# Altium PCB HYDRA_V3_RECOVERY.PcbDoc (part 1 of 2) (continued)
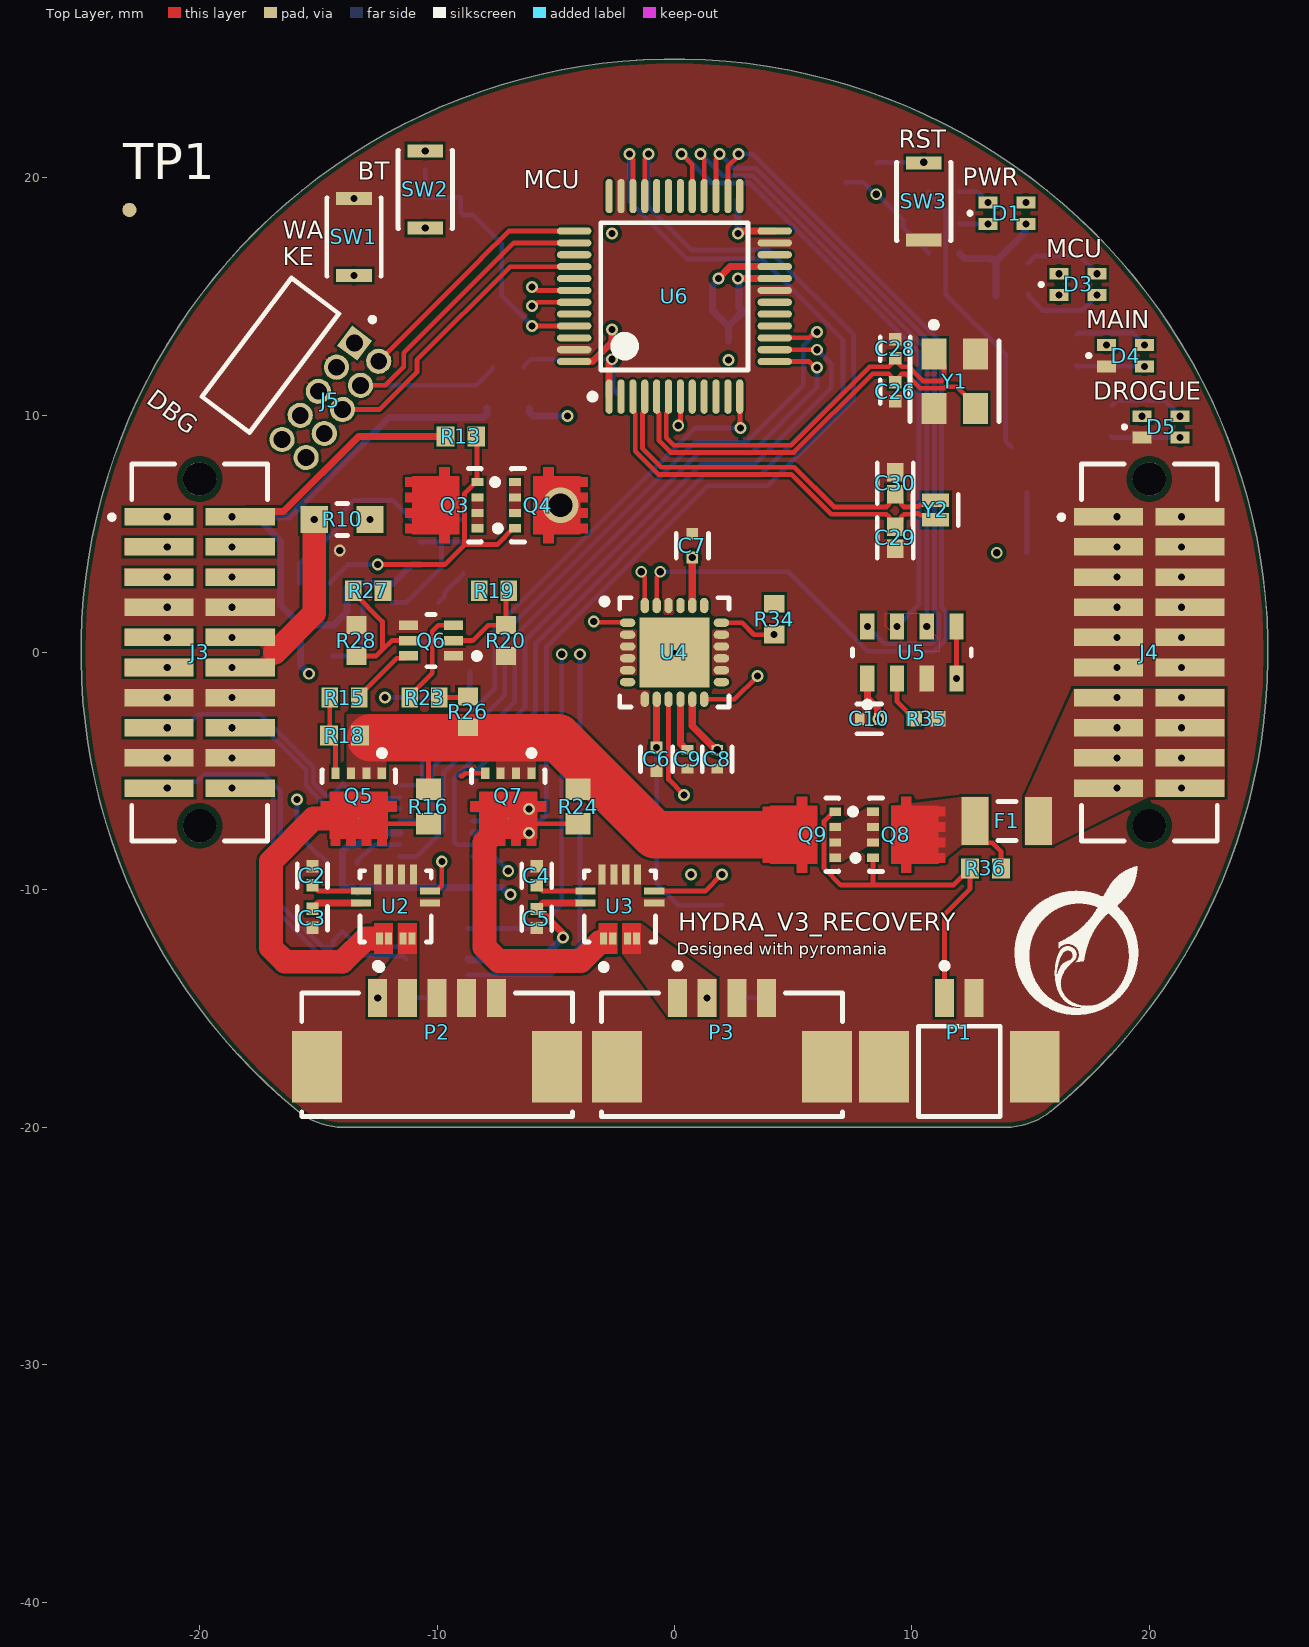
[diagram p0: Top Layer view]
## Design rules (kind name [scope] priority, off if disabled: settings)
BoardOutlineClearance [All] p1: gap=0.2 ignorepadtopadclearanceinfootprint=FALSE
Clearance [All] p1: gap=0.102 ignorepadtopadclearanceinfootprint=FALSE except(0.127: Arc-Via Track-Via SMDPad-Via THPad-Via Via-Via Via-Fill Via-Poly Via-Region Via-Text; 0.25: Arc-Hole Track-Hole SMDPad-Hole THPad-Hole Via-Hole Fill-Hole Poly-Hole Region-Hole Text-Hole)
ComponentClearance [All] p1: gap=0.102 collisioncheckmode=3 verticalgap=0.102 showdistances=TRUE
DiffPairsRouting [All] p1: maxlimit=0.102 minlimit=0.102 mostfreqgap=0.102 toplayer_minwidth=0.102 toplayer_maxwidth=1816.048 toplayer_prefwidth=0.102 midlayer1_minwidth=0.102 midlayer1_maxwidth=1816.048 midlayer1_prefwidth=0.102 midlayer2_minwidth=0.102 midlayer2_maxwidth=1816.048 midlayer2_prefwidth=0.102 bottomlayer_minwidth=0.102 bottomlayer_maxwidth=1816.048 bottomlayer_prefwidth=0.102 maxuncoupledlength=12.7
Height [All] p1: minheight=0 maxheight=1816.048 prefheight=12.7
HoleSize [All] p1: absolutevalues=TRUE maxlimit=6.3 minlimit=0.2 maxpercent=80.000 minpercent=20.000
HoleToHoleClearance [All] p1: gap=0.25 allowstackedmicrovias=FALSE
MinimumAnnularRing [All] p1: minimumring=0.076
MinimumSolderMaskSliver [All] p1: minsoldermaskwidth=0
PlaneClearance [All] p1: clearance=0.102
PlaneConnect PlaneConnectPowerPads [InPadClass('PowerPads')] p1: planeconnectstyle=Direct reliefexpansion=0.508 reliefentries=4 reliefconductorwidth=0.254 reliefairgap=0.254
PlaneConnect [All] p2: pad.planeconnectstyle=Relief pad.reliefexpansion=0.3 pad.reliefentries=4 pad.reliefconductorwidth=0.102 pad.reliefairgap=0.102 via.planeconnectstyle=Direct via.reliefexpansion=0.3 via.reliefentries=4 via.reliefconductorwidth=0.127 via.reliefairgap=0.127
PolygonConnect PolygonConnectPowerPads [All vs (InPadClass('PowerPads'))] p1: connectstyle=Direct reliefconductorwidth=0.254 reliefentries=4 polygonreliefangle="90 Angle" airgapwidth=0.254
PolygonConnect [All] p2: thpad.connectstyle=Relief thpad.reliefconductorwidth=0.102 thpad.reliefentries=4 thpad.polygonreliefangle="90 Angle" thpad.airgapwidth=0.102 smdpad.connectstyle=Direct smdpad.reliefconductorwidth=0.102 smdpad.reliefentries=4 smdpad.polygonreliefangle="90 Angle" smdpad.airgapwidth=0.102 via.connectstyle=Direct via.reliefconductorwidth=0.127 via.reliefentries=4 via.polygonreliefangle="90 Angle" via.airgapwidth=0.127
RoutingVias [All] p1: holewidth=0.2 width=0.45 viastyle="Through Hole" minholewidth=0.2 minwidth=0.45 maxholewidth=6.3 maxwidth=6.55
SilkToSilkClearance [All] p1: silktosilkclearance=0
SilkToSolderMaskClearance [IsPad] p1: minsilkscreentomaskgap=0.102 clearancetoexposedcopper=TRUE
SolderMaskExpansion [All] p1: expansion=0.075 istentingtop=FALSE
Width [All] p1: maxlimit=1816.048 minlimit=0.102 preferedwidth=0.102
20 further rules are at their usual default settings.

## Classes and differential pairs
differential pair class 120DIFF: CAN0
component class SENSOR_BANK_0: C6 C7 C8 C9 C10 R34 R35 U4 U5
component class SAFETY_SWITCH_0: Q8 Q9 R36
component class MCU_0: C11 C12 C13 C14 C15 C16 C17 C18 C19 C20 C21 C22 C23 C24 C25 C26 C27 C28 C29 C30 C31 C32 C33 D3 FB1 J5 R37 R38 R39 R40 R41 R42 R43 R44 R45 R46 R47 R48 R49 SW1 SW2 SW3 TP1 U6 U7 U8 U9 Y1 Y2
component class EJECTION_CIRCUIT_0: C2 C3 C4 C5 D4 D5 DS1 DS2 Q5 Q6 Q7 R14 R15 R16 R17 R18 R19 R20 R21 R22 R23 R24 R25 R26 R27 R28 R29 R30 R31 R32 R33 U2 U3
component class OC_PROT: C1 D1 D2 Q1 Q2 Q3 Q4 R1 R2 R3 R4 R5 R6 R7 R8 R9 R10 R11 R12 R13 U1
component class HYDRA_V3_RECOVERY: F1 J1 J2 J3 J4 P1 P2 P3
differential pair X: +X_P -X_N
differential pair X32: +X32_P -X32_N
differential pair CAN1: +CAN1_P -CAN1_N
differential pair CAN0: +CAN0_P -CAN0_N

## Components (designator, comment, footprint, x,y, rotation, side; value= is the part's Value field where it differs from the comment)
C1 "C0402C104K8PACTU" FP-C0402-BB-MFG -8.9,6 r90 bottom value="0.10 μF"
C2 "C0402C104K8PACTU" FP-C0402-BB-MFG -15.25,-9.4 r270 top value="0.10 μF"
C3 "C0402C104K8PACTU" FP-C0402-BB-MFG -15.25,-11.2 r90 top value="0.10 μF"
C4 "C0402C104K8PACTU" FP-C0402-BB-MFG -5.8,-9.41 r270 top value="0.10 μF"
C5 "C0402C104K8PACTU" FP-C0402-BB-MFG -5.8,-11.21 r90 top value="0.10 μF"
C6 "CC0402KPX7R7BB103" FP-CC0402-MFG -0.75,-4.5 r270 top value="10 nF"
C7 "CC0402KPX7R7BB103" FP-CC0402-MFG 0.75,4.5 r90 top value="10 nF"
C8 "GRM155R71C104KA88D" FP-GRM15-MFG 1.8,-4.5 r90 top value=0.10μF
C9 "GRM155R71C104KA88D" FP-GRM15-MFG 0.55,-4.5 r90 top value=0.10μF
C10 "GRM155R71C104KA88D" FP-GRM15-MFG 8.2,-2.8 r0 top value=0.10μF
C11 "C1005X5R1A475K050BC" FP-C1005-050-0_15-MFG 2.275,19.05 r180 bottom
C12 "GRM155R71C104KA88D" FP-GRM15-MFG 2.275,17.65 r0 bottom value=0.10μF
C13 "GRM155R71C104KA88D" FP-GRM15-MFG -2.225,17.65 r180 bottom value=0.10μF
C14 "GRM155R71C104KA88D" FP-GRM15-MFG -2.225,13.6 r180 bottom value=0.10μF
C15 "EMK105BJ105KV-F" FP-0402-L_1_0_0_05-W_0_5-IPC_A 3.4,14.375 r0 bottom
C16 "GRM155R71C104KA88D" FP-GRM15-MFG 3.075,15.75 r180 bottom value=0.10μF
C17 "EMK105BJ105KV-F" FP-0402-L_1_0_0_05-W_0_5-IPC_A -1.975,10.95 r0 bottom
C18 "GRM155R71C104KA88D" FP-GRM15-MFG -2.225,12.35 r180 bottom value=0.10μF
C19 "EMK105BJ105KV-F" FP-0402-L_1_0_0_05-W_0_5-IPC_A 1.125,14.375 r180 bottom
C20 "GRM155R71C104KA88D" FP-GRM15-MFG 1.45,15.75 r0 bottom value=0.10μF
C21 "C0402C104K8PACTU" FP-C0402-BB-MFG -6.447,-12.575 r270 bottom value="0.10 μF"
C22 "C0402C104K8PACTU" FP-C0402-BB-MFG -6.125,-6.2 r270 bottom value="0.10 μF"
C23 "C0402C104K8PACTU" FP-C0402-BB-MFG -6.125,-8 r90 bottom value="0.10 μF"
C24 "C0402C104K8PACTU" FP-C0402-BB-MFG -11.9,-10.3 r90 bottom value="0.10 μF"
C25 "C0402C104K8PACTU" FP-C0402-BB-MFG -13.5,16.275 r270 bottom value="0.10 μF"
C26 "C0402C689C5GACTU" FP-C0402-BB-MFG 9.3,10.985 r270 top value="6.8 pF"
C27 "CL05A106MP5NUNC" FP-CL05A106MP5NUNC-MFG -4.5,9.5 r270 bottom value=10uF
C28 "C0402C689C5GACTU" FP-C0402-BB-MFG 9.3,12.785 r90 top value="6.8 pF"
C29 "04025A180FAT2A" FP-0402-L_1_0_1-W_0_5_0_1-IPC_A 9.3,4.825 r270 top
C30 "04025A180FAT2A" FP-0402-L_1_0_1-W_0_5_0_1-IPC_A 9.3,7.125 r90 top
C31 "C0402C104K8PACTU" FP-C0402-BB-MFG -9.5,9.5 r90 bottom value="0.10 μF"
C32 "C0402C104K8PACTU" FP-C0402-BB-MFG -10.5,20.725 r90 bottom value="0.10 μF"
C33 "C0402C104K8PACTU" FP-C0402-BB-MFG 7.2,20.2 r90 bottom value="0.10 μF"
D1 "150066RG54050" WL-SBCD_0606 14,18.5 r90 top locked
D2 "MM5Z3V3T1G" ONSC-SOD-523-2-502-01_V -8.9,4 r270 bottom
D3 "150066RG54050" WL-SBCD_0606 17,15.5 r90 top locked
D4 "150066RG54050" WL-SBCD_0606 19,12.5 r90 top locked
D5 "150066RG54050" WL-SBCD_0606 20.5,9.5 r90 top locked
F1 "0466003.NR" FP-0466-MFG 14,-7.1 r180 top value=0.019Ω
FB1 "BLM15PX601SN1D" FP-BLM15-0_05-MFG 2.275,12.725 r90 bottom
J1 "SFML-110-02-L-D-A" SFML-110-02-L-D-A-Footprint-1 -20,0 r270 bottom locked
J2 "SFML-110-02-L-D-A" SFML-110-02-L-D-A-Footprint-1 20,0 r270 bottom locked
J3 "TFML-110-02-L-D-A" TFML-110-02-L-D-A-Footprint-1 -20,0 r270 top locked
J4 "TFML-110-02-L-D-A" TFML-110-02-L-D-A-Footprint-1 20,0 r270 top locked
J5 "FTSH-105-01-F-D-RA-K" FTSH-105-01-F-D-RA-K-Footprint-1 -15,11 r53 top
P1 "53261-0271" MOLX-53261-0271_V 12,-16 r0 top locked
P2 "53261-0571" MOLX-52361-0571-5_V -10,-14.55 r0 top locked
P3 "53261-0471" MOLEX-53261-0471_V 2,-16 r0 top locked
Q1 "BSS138W-7-F" DIOD-SOT323-3_V 14.2,7.7 r90 bottom
Q2 "BSS138W-7-F" DIOD-SOT323-3_V -12.115,-0.175 r180 bottom
Q3 "SISH615ADN-T1-GE3" SISH615ADN-T1-GE3-Footprint-1 -9.69,6.162 r90 top
Q4 "SISH615ADN-T1-GE3" SISH615ADN-T1-GE3-Footprint-1 -5.31,6.238 r270 top
Q5 "SISH615ADN-T1-GE3" SISH615ADN-T1-GE3-Footprint-1 -13.263,-6.49 r180 top
Q6 "SSM6N7002KFU,LF" FP-SSOP6-P-0_65A-MFG -10.25,0.5 r180 top
Q7 "SISH615ADN-T1-GE3" SISH615ADN-T1-GE3-Footprint-1 -6.963,-6.49 r180 top
Q8 "SISH615ADN-T1-GE3" SISH615ADN-T1-GE3-Footprint-1 9.765,-7.643 r270 top
Q9 "SISH615ADN-T1-GE3" SISH615ADN-T1-GE3-Footprint-1 5.375,-7.718 r90 top
R1 "ERJ-3EKF3300V" RESC1608X55X30LL15T15#1 11.35,18.1 r180 bottom
R2 "ERJ3EKF1002V" RESC1609X55X30LL15T15 -14.4,0.5 r90 bottom
R3 "ERJ-3EKF1001V" RESC1608X55X30LL15T15#2 -12.5,2.1 r0 bottom
R4 "ERJ-3EKF1001V" RESC1608X55X30LL15T15#2 11.35,19.4 r0 bottom
R5 "ERJ-3EKF1001V" RESC1608X55X30LL15T15#2 -8.615,-0.175 r270 bottom
R6 "ERJ-3EKF1001V" RESC1608X55X30LL15T15#2 14.2,4.2 r180 bottom
R7 "ERJ3EKF1002V" RESC1609X55X30LL15T15 -9.915,-0.175 r90 bottom
R8 "ERJ3EKF1002V" RESC1609X55X30LL15T15 14.2,5.5 r0 bottom
R9 "ERJ3EKF1002V" RESC1609X55X30LL15T15 -9.3,2.1 r180 bottom
R10 "ERJ-6DSFR10V" FP-ERJ6D-MFG -14,5.6 r0 top
R11 "ERJ3EKF1002V" RESC1609X55X30LL15T15 -15.175,4.95 r90 bottom
R12 "RT0603BRD071ML" RESC1608X55X30NL20T20 -15.15,2.9 r180 bottom
R13 "ERJ3EKF1002V" RESC1609X55X30LL15T15 -9,9.1 r0 top
R14 "ERJ3EKF1002V" RESC1609X55X30LL15T15 -11.85,-14.55 r180 bottom
R15 "ERJ-3EKF1001V" RESC1608X55X30LL15T15#2 -13.9,-1.9 r180 top
R16 "ERJ-3EKF1003V" RESC1608X55X30ML15T15 -10.363,-6.49 r270 top
R17 "ERJ-3EKF1001V" RESC1608X55X30LL15T15#2 -9.5,-14.55 r180 bottom
R18 "ERJ3EKF1002V" RESC1609X55X30LL15T15 -13.9,-3.5 r180 top
R19 "ERJ-3EKF1001V" RESC1608X55X30LL15T15#2 -7.6,2.6 r0 top
R20 "ERJ3EKF1002V" RESC1609X55X30LL15T15 -7.1,0.5 r90 top
R21 "ERJ3EKF1002V" RESC1609X55X30LL15T15 0.7,-10 r270 bottom
R22 "ERJ3EKF1002V" RESC1609X55X30LL15T15 2.025,-14.55 r180 bottom
R23 "ERJ-3EKF1001V" RESC1608X55X30LL15T15#2 -10.525,-1.9 r0 top
R24 "ERJ-3EKF1003V" RESC1608X55X30ML15T15 -4.062,-6.49 r270 top
R25 "ERJ-3EKF1001V" RESC1608X55X30LL15T15#2 4.4,-14.55 r180 bottom
R26 "ERJ3EKF1002V" RESC1609X55X30LL15T15 -8.7,-2.5 r90 top
R27 "ERJ-3EKF1001V" RESC1608X55X30LL15T15#2 -12.9,2.6 r180 top
R28 "ERJ3EKF1002V" RESC1609X55X30LL15T15 -13.4,0.5 r270 top
R29 "ERJ3EKF1002V" RESC1609X55X30LL15T15 2,-10 r270 bottom
R30 "ERJ-3EKF1001V" RESC1608X55X30LL15T15#2 16.3,12.1 r0 bottom
R31 "ERJ-3EKF1001V" RESC1608X55X30LL15T15#2 17.775,9.1 r0 bottom
R32 "ERJ-3EKF3300V" RESC1608X55X30LL15T15#1 16.3,13.4 r0 bottom
R33 "ERJ-3EKF3300V" RESC1608X55X30LL15T15#1 17.775,10.4 r0 bottom
R34 "ERJ3EKF1002V" RESC1609X55X30LL15T15 4.2,1.4 r90 top
R35 "0402 JUMPER" RESC1005X40X25ML05T05 10.6,-2.8 r180 top
R36 "ERJ3EKF1002V" RESC1609X55X30LL15T15 13.1,-9.1 r180 top
R37 "ERJ3EKF1002V" RESC1609X55X30LL15T15 -7,12 r180 bottom
R38 "ERJ-3EKF1200V" RESC1609X55X30ML15T15 -13.962,-12.6 r90 bottom
R39 "ERJ3EKF56R0V" RESC1608X55X30NL15T15 14.225,15.1 r180 bottom
R40 "ERJ-3EKF1200V" RESC1609X55X30ML15T15 -13.962,-6.35 r270 bottom
R41 "ERJ3EKF56R0V" RESC1608X55X30NL15T15 14.225,16.4 r180 bottom
R42 "ERJ3EKF1002V" RESC1609X55X30LL15T15 -14,-10.1 r180 bottom
R43 "ERJ-3EKF1001V" RESC1608X55X30LL15T15#2 -14,-8.9 r180 bottom
R44 "ERJ3EKF1002V" RESC1609X55X30LL15T15 13.075,-35.975 r90 bottom
R45 "ERJ3EKF1002V" RESC1609X55X30LL15T15 13.075,-38.375 r270 bottom
R46 "ERJ-3EKF3300V" RESC1608X55X30LL15T15#1 -10.5,18.525 r270 bottom
R47 "ERJ-3EKF3300V" RESC1608X55X30LL15T15#1 8.5,19.95 r90 bottom
R48 "ERJ3EKF1002V" RESC1609X55X30LL15T15 -9,18.5 r90 bottom
R49 "ERJ3EKF1002V" RESC1609X55X30LL15T15 11.35,16.8 r180 bottom
SW1 "KXT331LHS" FP-KXT331LHS-MFG -13.5,17.5 r90 top locked
SW2 "KXT331LHS" FP-KXT331LHS-MFG -10.5,19.5 r90 top locked
SW3 "KXT331LHS" FP-KXT331LHS-MFG 10.5,19 r270 top locked
TP1 "TPAD6R" "New footprint 1" -22.96,18.64 r90 top
U1 "TLV1805DBVR" FP-DBV0006A-IPC_C -11.775,4.65 r0 bottom
U2 "ACS711KEXLT-15AB-T" ALEG-EX-12_V -11.75,-10.7 r90 top
U3 "ACS711KEXLT-15AB-T" ALEG-EX-12_V -2.3,-10.7 r90 top
U4 "IIM-20670" PQFN50P450X450X115_HS-25N 0,0 r0 top
U5 "MS561101BA03-50" MSI-MS561101BA03-50-8_V 10,0 r90 top
U6 "STM32G473CET6" TSQFP50P900X900X160-48N 0,15 r90 top
U7 "TCAN330GDCNR" FP-DCN0008A-MFG -10,-12.6 r180 bottom
U8 "TCAN1146DYYRQ1" TCAN1146DYYRQ1-Footprint-1 -10.025,-7.1 r180 bottom
U9 "AP7375-50SA-7" AP7375-50SA-7-Footprint-1 -7,9 r270 bottom
Y1 "ABM8-48.000MHZ-B2-T" FP-ABM8-MFG 11.8,11.425 r270 top
Y2 "ECS-.327-12.5-1210-TR" FP-ECX-1210-MFG 11,6 r90 top

## Footprints (in the part's own frame and the unit in brackets; to place one, negate y for a bottom-side part, rotate by r counter-clockwise, add the part's x,y. Pads: shape width x height; smd on the part's side, far side on the other; paste and mask are expansions set on the pad)
ALEG-EX-12_V [mm] "QFN, 12-Leads, Body 3x3mm, Height 0.8mm"
  rect 0.5x0.3 smd paste-0.5 mask-0.5: 1(-1.348,0.682) 2(-1.348,0.301) 3(-1.348,-0.318) 4(-1.348,-0.699)
  rect 0.3x0.85 smd: 5(0.148,-1.45) 6(0.648,-1.45) 11(0.648,1.45) 12(0.148,1.45)
  rect 0.85x0.3 smd: 7(1.348,-0.75) 8(1.348,-0.25) 9(1.348,0.25) 10(1.348,0.75)
  Top Layer region: -2.002,0.1 -0.702,0.1 -0.702,0.9 -2.002,0.9
  Top Layer region: -2.002,-0.9 -0.702,-0.9 -0.702,-0.1 -2.002,-0.1
  silkscreen extent -2.68,-1.5 1.5,1.5, body extent -1.5,-1.5 1.5,1.5, height 0.81
AP7375-50SA-7-Footprint-1 [mm]
  rect 1.2x0.6 smd: 1(-1.3,0.9) 2(-1.3,-0.9) 3(1.3,0)
  silkscreen extent -1.42,-1.5 0.7,1.87, body extent -0.7,-1.5 0.7,1.5, height 1.1
DIOD-SOT323-3_V [mm] "SOT323, 3-Leads, Body 2.2x1.35mm, Pitch 0.65mm"
  rect 0.9x0.7 smd: 1(-0.95,0.65) 2(-0.95,-0.65) 3(0.95,0)
  silkscreen extent -1.07,-1.1 0.67,1.68, body extent -1.1,-1.1 1.1,1.1, height 1.07
FP-0402-L_1_0_0_05-W_0_5-IPC_A [mm]
  rect 0.715x0.672 smd paste+0 mask+0: 1(-0.479,0) 2(0.479,0)
  silkscreen extent -0.84,-0.74 0.84,0.74, body extent -0.5,-0.25 0.5,0.25, height 0.55
FP-0402-L_1_0_1-W_0_5_0_1-IPC_A [mm]
  rect 0.781x0.712 smd paste+0 mask+0: 1(-0.466,0) 2(0.466,0)
  silkscreen extent -0.86,-0.76 0.86,0.76, body extent -1.06,-0.56 1.06,0.56, height 0.25
FP-0466-MFG [mil]
  rect 45x80 smd paste+0 mask+0: 1(-52.5,0) 2(52.5,0)
  silkscreen extent -15,-32 15,32, body extent -79,-44 79,44, height 10
FP-ABM8-MFG [mm]
  rect 1.3x1.05 smd paste+0 mask+0: 1(-1.15,-0.875) 2(1.15,-0.875) 3(1.15,0.875) 4(-1.15,0.875)
  silkscreen extent -2.5,-1.88 1.7,1.88, body extent -1.9,-1.5 1.9,1.5, height 0.25
FP-BLM15-0_05-MFG [mm]
  rect 0.4x0.5 smd paste+0 mask+0: 1(-0.4,0) 2(0.4,0)
  silkscreen extent -0.53,-0.63 0.52,0.63, body extent -0.5,-0.25 0.5,0.25, height 0.55
FP-C0402-BB-MFG [mm]
  rect 0.52x0.52 smd paste+0 mask+0: 1(-0.4,0) 2(0.4,0)
  silkscreen extent -0.5,-0.64 0.5,0.64, body extent -0.5,-0.25 0.5,0.25, height 0.55
FP-C1005-050-0_15-MFG [mm]
  rect 0.4x0.5 smd paste+0 mask+0: 1(-0.4,0) 2(0.4,0)
  silkscreen extent -0.5,-0.72 0.5,0.72, body extent -0.5,-0.25 0.5,0.25, height 0.55
FP-CC0402-MFG [mm]
  rect 0.5x0.5 smd paste+0 mask+0: 1(-0.5,0) 2(0.5,0)
  silkscreen extent -0.53,-0.68 0.53,0.67, body extent -0.87,-0.48 0.87,0.48, height 0.25
FP-CL05A106MP5NUNC-MFG [mm]
  rect 0.45x0.675 smd paste+0 mask+0: 1(-0.463,0) 2(0.463,0)
  silkscreen extent -0.6,-0.63 0.6,0.63, body extent -0.5,-0.25 0.5,0.25, height 0.7
FP-DBV0006A-IPC_C [mm]
  rect 1.205x0.53 smd paste+0 mask+0: 1(-1.05,0.95)
  rrect100% 1.205x0.53 smd paste+0 mask+0: 2(-1.05,0) 3(-1.05,-0.95) 4(1.05,-0.95) 5(1.05,0) 6(1.05,0.95)
  silkscreen extent -2.33,-1.45 0.05,1.45, body extent -1.4,-1.45 1.4,1.45, height 1.45
FP-DCN0008A-MFG [mm]
  rect 1.1x0.45 smd paste+0 mask+0: 1(-1.3,0.975) 2(-1.3,0.325) 3(-1.3,-0.325) 4(-1.3,-0.975) 5(1.3,-0.975) 6(1.3,-0.325) 7(1.3,0.325) 8(1.3,0.975)
  silkscreen extent -2.55,-1.5 0.38,1.5, body extent -1.4,-1.45 1.4,1.45, height 1.45
FP-ECX-1210-MFG [mm]
  rect 0.575x1.14 smd paste+0 mask+0: 1(-0.413,0) 2(0.413,0)
  silkscreen extent -0.65,-0.95 0.65,0.95, body extent -0.8,-0.67 0.8,0.67, height 0.25
FP-ERJ6D-MFG [mm]
  rect 1.15x1.15 smd paste+0 mask+0: 1(-1.175,0) 2(1.175,0)
  silkscreen extent -0.23,-0.67 0.23,0.67, body extent -1.85,-0.77 1.85,0.77, height 0.25
FP-GRM15-MFG [mm]
  rect 0.4x0.5 smd paste+0 mask+0: 1(-0.4,0) 2(0.4,0)
  silkscreen extent -0.53,-0.63 0.53,0.63, body extent -0.7,-0.38 0.7,0.38, height 0.25
FP-KXT331LHS-MFG [mm]
  rect 0.55x1.5 smd paste+0 mask+0: 1(-1.625,0) 2(1.625,0)
  silkscreen extent -1.65,-1.15 1.65,1.15, body extent -2,-1.25 2,1.25, height 0.25
FP-SSOP6-P-0_65A-MFG [mm]
  rect 0.8x0.4 smd paste+0 mask+0: 1(-0.95,0.65) 2(-0.95,0) 3(-0.95,-0.65) 4(0.95,-0.65) 5(0.95,0) 6(0.95,0.65)
  silkscreen extent -2.05,-1.1 0.18,1.1, body extent -1.45,-1.2 1.45,1.2, height 0.25
FTSH-105-01-F-D-RA-K-Footprint-1 [mm]
  rect 1.06x1.06 hole 0.71: 01(2.54,0)
  round 1.06 hole 0.71: 02(2.54,-1.27) 03(1.27,0) 04(1.27,-1.27) 05(0,0) 06(0,-1.27) 07(-1.27,0) 08(-1.27,-1.27) 09(-2.54,0) 10(-2.54,-1.27)
  silkscreen extent -3.14,-0.1 3.88,3.78, body extent -3.14,-1.54 3.14,6.92, height 5.04
MOLEX-53261-0471_V [mm] "SMD, 4-Leads, Body 10.15x5.2mm, Pitch 1.25mm"
  rect 0.8x1.6 smd: 1(-1.875,1.45) 2(-0.625,1.45) 3(0.625,1.45) 4(1.875,1.45)
  rect 2.1x3 smd: MP1(-4.425,-1.45) MP2(4.425,-1.45)
  silkscreen extent -5.08,-3.55 5.08,2.93, body extent -5.08,-3.55 5.07,1.65, height 3.4
MOLX-52361-0571-5_V [mm] "SMD, 5-Leads, Body 11.4x5.2mm, Pitch 1.25mm"
  rect 0.8x1.6 smd: 1(-2.5,0) 2(-1.25,0) 3(0,0) 4(1.25,0) 5(2.5,0)
  rect 2.1x3 smd: MP1(-5.05,-2.9) MP2(5.05,-2.9)
  silkscreen extent -5.7,-5 5.7,1.47, body extent -5.7,-5 5.7,0.2, height 3.4
MOLX-53261-0271_V [mm] "Header, 2-Leads, Pitch 1.25mm"
  rect 0.8x1.6 smd: 1(-0.625,1.45) 2(0.625,1.45)
  rect 2.1x3 smd: MP1(-3.175,-1.45) MP2(3.175,-1.45)
  silkscreen extent -1.72,-3.55 1.73,2.92, body extent -3.82,-3.55 3.83,1.65, height 3.41
MSI-MS561101BA03-50-8_V [mm] "SMD, 8-Leads, Body 5x3mm, Pitch 1.25mm"
  rect 1.1x0.6 smd: 1(-1.1,1.875) 2(-1.1,0.625) 3(-1.1,-0.625) 4(-1.1,-1.875) 5(1.1,-1.875) 6(1.1,-0.625) 7(1.1,0.625) 8(1.1,1.875)
  silkscreen extent -2.32,-2.5 0.15,2.5, body extent -1.5,-2.5 1.5,2.5, height 1
"New footprint 1" [mm]
  round 0.6 smd paste-1: 1(0,0)
ONSC-SOD-523-2-502-01_V [mm] "SOD, 2-Leads, Body 1.2x0.8mm"
  rect 0.48x0.4 smd: 1(-0.66,0) 2(0.66,0)
  silkscreen extent -0.75,-0.4 0.07,0.65, body extent -0.6,-0.4 0.6,0.4, height 0.7
PQFN50P450X450X115_HS-25N [mm] "PQFN, 24-Leads, Body 4.50x4.50mm, Pitch 0.50mm, Thermal Pad 2.94x2.94mm, IPC Medium Density"
  oval 0.65x0.35 smd: 1(-1.975,1.25) 2(-1.975,0.75) 3(-1.975,0.25) 4(-1.975,-0.25) 5(-1.975,-0.75) 6(-1.975,-1.25) 13(1.975,-1.25) 14(1.975,-0.75) 15(1.975,-0.25) 16(1.975,0.25) 17(1.975,0.75) 18(1.975,1.25)
  oval 0.35x0.65 smd: 7(-1.25,-1.975) 8(-0.75,-1.975) 9(-0.25,-1.975) 10(0.25,-1.975) 11(0.75,-1.975) 12(1.25,-1.975) 19(1.25,1.975) 20(0.75,1.975) 21(0.25,1.975) 22(-0.25,1.975) 23(-0.75,1.975) 24(-1.25,1.975)
  rect 2.94x2.94 smd: 25(0,0)
  silkscreen extent -3.07,-2.3 2.3,2.3, body extent -2.3,-2.3 2.3,2.3, height 1.15
RESC1005X40X25ML05T05 [mm] "Chip Resistor, 2-Leads, Body 1.00x0.50mm, IPC Low Density"
  rect 0.65x0.65 smd: 1(-0.5,0) 2(0.5,0)
  body extent -0.53,-0.27 0.53,0.28, height 0.4
RESC1608X55X30LL15T15#1 [mm] "Chip Resistor, 2-Leads, Body 1.75x0.95mm, IPC High Density"
  rect 0.75x0.85 smd: 1(-0.65,0) 2(0.65,0)
  body extent -0.87,-0.48 0.87,0.48, height 0.55
RESC1608X55X30LL15T15#2 [mm] "Chip Resistor, 2-Leads, Body 1.60x0.80mm, IPC High Density"
  rect 0.7x0.85 smd: 1(-0.625,0) 2(0.625,0)
  body extent -0.87,-0.48 0.87,0.48, height 0.55
RESC1608X55X30ML15T15 [mm] "Chip Resistor, 2-Leads, Body 1.60x0.80mm, IPC Low Density"
  rect 0.9x1.05 smd: 1(-0.725,0) 2(0.725,0)
  body extent -0.87,-0.48 0.87,0.48, height 0.55
RESC1608X55X30NL15T15 [mm] "Chip Resistor, 2-Leads, Body 1.60x0.80mm, IPC Medium Density"
  rect 0.8x0.95 smd: 1(-0.675,0) 2(0.675,0)
  body extent -0.87,-0.48 0.87,0.48, height 0.55
RESC1608X55X30NL20T20 [mm] "Chip Resistor, 2-Leads, Body 1.60x0.80mm, IPC Medium Density"
  rect 0.9x1 smd: 1(-0.65,0) 2(0.65,0)
  body extent -0.9,-0.5 0.9,0.5, height 0.55
RESC1609X55X30LL15T15 [mm] "Chip Resistor, 2-Leads, Body 1.75x0.95mm, IPC High Density"
  rect 0.75x0.85 smd: 1(-0.65,0) 2(0.65,0)
  body extent -0.87,-0.48 0.87,0.48, height 0.55
RESC1609X55X30ML15T15 [mm] "Chip Resistor, 2-Leads, Body 1.75x0.95mm, IPC Low Density"
  rect 1.15x1.05 smd: 1(-0.85,0) 2(0.85,0)
  body extent -0.87,-0.48 0.87,0.48, height 0.55
SFML-110-02-L-D-A-Footprint-1 [mm]
  rect 0.74x2.22 smd: 01(-5.715,1.365) 02(-5.715,-1.365) 03(-4.445,1.365) 04(-4.445,-1.365) 05(-3.175,1.365) 06(-3.175,-1.365) 07(-1.905,1.365) 08(-1.905,-1.365) 09(-0.635,1.365) 10(-0.635,-1.365) 11(0.635,1.365) 12(0.635,-1.365) 13(1.905,1.365) 14(1.905,-1.365) 15(3.175,1.365) 16(3.175,-1.365) 17(4.445,1.365) 18(4.445,-1.365) 19(5.715,1.365) 20(5.715,-1.365)
  round 1.4 hole 1.4 unplated: ""(-7.305,0) ""(7.305,0)
  silkscreen extent -6.54,-1.53 6.54,3.17, body extent -7.94,-2.04 7.94,2.16, height 4.57
SISH615ADN-T1-GE3-Footprint-1 [mm]
  rect 0.35x0.5 smd paste+0 mask+0: 1(-0.937,-1.4) 2(-0.288,-1.4) 3(0.363,-1.4) 4(1.012,-1.4)
  round 0.025 smd mask+0: 5-6-7-8(0.038,0.51)
  Top Layer region: -1.187,-0.63 -1.187,-0.215 -1.568,-0.215 -1.568,0.215 -1.187,0.215 -1.187,1.35 -1.137,1.35 -1.137,1.65 -0.737,1.65 -0.737,1.35 -0.487,1.35 -0.487,1.65 -0.088,1.65 -0.088,1.35 0.163,1.35 0.163,1.65 0.563,1.65 0.563,1.35 0.813,1.35 0.813,1.65 1.212,1.65 1.212,1.35 1.262,1.35 1.262,0.215 1.643,0.215 1.643,-0.215 1.262,-0.215 1.262,-0.63
  silkscreen extent -1.51,-2.38 1.59,-1.01, body extent -1.67,-1.75 1.74,1.75, height 0.25
TCAN1146DYYRQ1-Footprint-1 [mil]
  rect 38.5x12 smd paste+0 mask+0: 1(-60.75,59.07) 2(-60.75,39.38) 3(-60.75,19.69) 4(-60.75,0) 5(-60.75,-19.69) 6(-60.75,-39.38) 7(-60.75,-59.07) 8(60.75,-59.07) 9(60.75,-39.38) 10(60.75,-19.69) 11(60.75,0) 12(60.75,19.69) 13(60.75,39.38) 14(60.75,59.07)
  silkscreen extent -47,-90 100,90, body extent -66,-84 66,84, height 43
TFML-110-02-L-D-A-Footprint-1 [mm]
  rect 0.74x2.92 smd: 01(-5.715,-1.715) 02(-5.715,1.715) 03(-4.445,-1.715) 04(-4.445,1.715) 05(-3.175,-1.715) 06(-3.175,1.715) 07(-1.905,-1.715) 08(-1.905,1.715) 09(-0.635,-1.715) 10(-0.635,1.715) 11(0.635,-1.715) 12(0.635,1.715) 13(1.905,-1.715) 14(1.905,1.715) 15(3.175,-1.715) 16(3.175,1.715) 17(4.445,-1.715) 18(4.445,1.715) 19(5.715,-1.715) 20(5.715,1.715)
  round 1.4 hole 1.4 unplated: ""(-7.305,0) ""(7.305,0)
  silkscreen extent -7.94,-3.8 7.94,2.86, body extent -7.94,-2.92 7.94,2.92, height 5.59
TSQFP50P900X900X160-48N [mm] "TSQFP, 48-Leads, Body 7.00x7.00mm, Pitch 0.50mm, IPC Medium Density"
  oval 1.45x0.3 smd: 1(-4.225,2.75) 2(-4.225,2.25) 3(-4.225,1.75) 4(-4.225,1.25) 5(-4.225,0.75) 6(-4.225,0.25) 7(-4.225,-0.25) 8(-4.225,-0.75) 9(-4.225,-1.25) 10(-4.225,-1.75) 11(-4.225,-2.25) 12(-4.225,-2.75) 25(4.225,-2.75) 26(4.225,-2.25) 27(4.225,-1.75) 28(4.225,-1.25) 29(4.225,-0.75) 30(4.225,-0.25) 31(4.225,0.25) 32(4.225,0.75) 33(4.225,1.25) 34(4.225,1.75) 35(4.225,2.25) 36(4.225,2.75)
  oval 0.3x1.45 smd: 13(-2.75,-4.225) 14(-2.25,-4.225) 15(-1.75,-4.225) 16(-1.25,-4.225) 17(-0.75,-4.225) 18(-0.25,-4.225) 19(0.25,-4.225) 20(0.75,-4.225) 21(1.25,-4.225) 22(1.75,-4.225) 23(2.25,-4.225) 24(2.75,-4.225) 37(2.75,4.225) 38(2.25,4.225) 39(1.75,4.225) 40(1.25,4.225) 41(0.75,4.225) 42(0.25,4.225) 43(-0.25,4.225) 44(-0.75,4.225) 45(-1.25,4.225) 46(-1.75,4.225) 47(-2.25,4.225) 48(-2.75,4.225)
  silkscreen extent -4.35,-3.1 3.1,3.57, body extent -3.5,-3.5 3.5,3.5, height 1.6
WL-SBCD_0606 [mm] "SMT Bi-color Chip LED Diffuesed, body 1.5x1.6mm"
  rect 0.5x0.8 smd: 1(-0.45,0.8) 2(-0.45,-0.8) 3(0.45,-0.8) 4(0.45,0.8)
  silkscreen extent -0.07,1.47 0.07,1.62, body extent -0.75,-0.8 0.75,0.8, height 0.55

## Part data
C1 C2 C3 C4 C5 C21 C22 C23 C24 C25 C31 C32 C33: library part CMP-2008-02046-2, "CAP CER 0.1UF 10V X5R 0402", Capacitance="0.10 μF", Manufacturer=Kemet, Package=C0402-BB, Temperature="-55°C to +125°C", Temperature Characteristic=X5R, Temperature Coefficient=15%, Temperature Range High=+125°C, Temperature Range Low=-55°C, Tolerance=0.1, Voltage Rating="10 V", Automotive=No, Category=Cap, ComponentLink2Description=Datasheet, ComponentLink2URL=https://content.kemet.com/datasheets/KEM_C1002_X7R_SMD.pdf, Device Class L1="Passive Components", Device Class L2=Capacitors, Device Class L3="Ceramic Capacitors", Digikey Description="CAP CER 0.1UF 10V X5R 0402", Height=0.55mm, Ipc Land Pattern Name=CAPC10050X50, Lead Free=Yes, Manufacturer Part Number=C0402C104K8PACTU, Material=Ceramic, Mouser Description="Capacitor 100 nF 10 VDC 0402", Octopart=https://octopart.com/c0402c104k8pactu-kemet-140039, RoHS=TRUE
C6 C7: library part CMP-03422-000420-1, "CC0402 10 nF X7R 10.00% 16 V", Capacitance="10 nF", Manufacturer=YAGEO, Package=CC0402, Temperature="-55°C to +125°C", Temperature Characteristic=X7R, Temperature Coefficient=30ppm/°C, Temperature Range High=+125°C, Temperature Range Low=-55°C, Tolerance=0.1, Voltage Rating="16 V", Automotive=No, Automotive Grade=NA, Category=Cap, ComponentLink2Description=Datasheet, ComponentLink2URL=http://www.yageo.com/documents/recent/UPY-GP_NP0_16V-to-50V_16.pdf, Device Class L1="Passive Components", Device Class L2=Capacitors, Device Class L3="Ceramic Capacitors", Footprint Url=http://www.yageo.com/exep/pages/download/literatures/UPY-C_GEN_24.pdf, Height=0.55mm, Ipc Land Pattern Name=CAPC10050X50, Lead Free=Yes, Manufacturer Part Number=CC0402KPX7R7BB103, Material=Ceramic, Mouser Description="Multilayer Ceramic Capacitors MLCC - SMD/SMT 10nF 16V X7R 10%", Octopart=https://octopart.com/cc0402kpx7r7bb103-yageo-12885102, RoHS=TRUE
C8 C9 C10 C12 C13 C14 C16 C18 C20: library part CMP-2100-03641-2, "CAP CER 0.1UF 16V X7R 0402", Capacitance=0.10μF, Manufacturer=Murata, Package=GRM15, Temperature="-55°C to +125°C", Temperature Characteristic=X7R, Temperature Range High=+125°C, Temperature Range Low=-55°C, Tolerance=10%, Voltage Rating=16Vdc, Category=Cap, ComponentLink2Description=Datasheet, ComponentLink2URL=https://search.murata.co.jp/Ceramy/image/img/A01X/G101/ENG/GRM155R71H471KA01-01A.pdf, Device Class L1="Passive Components", Device Class L2=Capacitors, Device Class L3="Ceramic Capacitors", Digikey Description="CAP CER 0.1UF 16V X7R 0402", Height=0.55mm, Ipc Land Pattern Name=CAPC10050X219, Lead Free=yes, Manufacturer Part Number=GRM155R71C104KA88D, Material=Ceramic, Mouser Description="0402 0.1 uF 16V ±10 % Tolerance X7R SMT Multilayer Ceramic Capacitor", Octopart=https://octopart.com/grm155r71c104ka88d-murata-196880, RoHS=TRUE, Standoff Height=0mm
C11: library part CMP-2000-05997-2, "CAP CER 4.7UF 10V X5R 0402", Capacitance=4.7uF, Case Code (Imperial)=0402, Case Code (Metric)=1005, Dielectric=X5R, Dielectric Material=Ceramic, Max Operating Temperature=85°C, Min Operating Temperature=-55°C, Package Quantity=10000, Tolerance=10%, Voltage Rating=10V, Case/Package=0402, Lead Free="Lead Free", Length=0.039inch, Mount="Surface Mount", Packaging="Cut Tape", REACH SVHC="No SVHC", RoHS Compliant=Yes, Series=C, Thickness=0.022inch, Voltage Rating (DC)=10V, Width=0.02inch
C15 C17 C19: library part CMP-14477-000104-2, "None", Capacitance=1uF, Case Code (Imperial)=0402, Case Code (Metric)=1005, Dielectric=X5R, Max Operating Temperature=85°C, Min Operating Temperature=-55°C, Package Quantity=1, Tolerance=10%, Voltage Rating=16V, Case/Package=0402, Construction=Flat, Depth=0.5mm, Halogen Free="Halogen Free", Height=0.5mm, Length=1mm, Mount="Surface Mount", Number of Pins=2, Packaging="Tape and Reel", Radiation Hardening=No, RoHS Compliant=Yes, Series=M, Termination=SMD/SMT, Thickness=0.022inch, Voltage Rating (DC)=16V, Width=0.02inch
C26 C28: library part CMP-1034-00517-3, "CAP CER 6.8PF 50V NP0 0402", Capacitance="6.8 pF", Manufacturer=Kemet, Package=C0402-BB, Temperature="-55°C to +125°C", Temperature Characteristic=C0G, Temperature Coefficient=15%, Temperature Range High=+125°C, Temperature Range Low=-55°C, Tolerance="0.25 pF", Voltage Rating="50 V", Automotive=No, Category=Cap, ComponentLink2Description=Datasheet, ComponentLink2URL=https://content.kemet.com/datasheets/KEM_C1002_X7R_SMD.pdf, Device Class L1="Passive Components", Device Class L2=Capacitors, Device Class L3="Ceramic Capacitors", Digikey Description="CAP CER 6.8PF 50V NP0 0402", Height=0.55mm, Ipc Land Pattern Name=CAPC10050X50, Lead Free=Yes, Manufacturer Part Number=C0402C689C5GACTU, Material=Ceramic, Mouser Description="Cap Ceramic 6.8pF 50V C0G 0.25pF SMD 0402 125°C Paper T/R", Octopart=https://octopart.com/c0402c689c5gactu-kemet-9143567, RoHS=TRUE
C27: library part CMP-13271-000002-1, "CAP CER 10UF 10V X5R 0402", Capacitance=10uF, Manufacturer=Samsung, Temperature="-55°C to +85°C", Temperature Characteristic=X5R, Temperature Coefficient=15%, Temperature Range High=+85°C, Temperature Range Low=-55°C, Tolerance=20%, Voltage Rating=10V, Automotive=No, Category=Cap, ComponentLink2Description=Datasheet, ComponentLink2URL=http://www.samsungsem.com/kr/support/product-search/mlcc/__icsFiles/afieldfile/2019/05/10/19-CL05A106MP5NUNC.pdf, Device Class L1="Passive Components", Device Class L2=Capacitors, Device Class L3="Ceramic Capacitors", Digikey Description="CAP CER 10UF 10V X5R 0402", Height=0.7mm, Ipc Land Pattern Name=CAPC10050X50, Lead Free=Yes, Manufacturer Part Number=CL05A106MP5NUNC, Material=Ceramic, Octopart=https://octopart.com/cl05a106mp5nunc-samsung-22457395, Package=CL05A106MP5NUNC, RoHS=TRUE
C29 C30: library part CMP-2008-02590-2, "General Purpose Ceramic Capacitor, 0402, 18pF, 1%, C0G, 30ppm/°C, 50V", Capacitance=18pF, Case Code (Imperial)=0402, Case Code (Metric)=1005, Dielectric=C0G, Max Operating Temperature=125°C, Min Operating Temperature=-55°C, Package Quantity=1, Tolerance=1%, Voltage Rating=50V, Case/Package=0402, Construction=Flat, Contact Plating=Tin, Depth=0.5mm, Lead Free="Lead Free", Length=1mm, Mount="Surface Mount", Number of Pins=2, Packaging="Tape and Reel", Radiation Hardening=No, REACH SVHC="No SVHC", RoHS Compliant=Yes, Series=-, Termination=SMD/SMT, Thickness=0.022inch, Voltage Rating (DC)=50V, Width=0.5mm
D1 D3 D4 D5: library part CMP-004-00040-2, "Led, Red/Grn, 180Mcd/230Mcd, 624Nm/525Nm Rohs Compliant: Yes", Component Type=Standard, Design Item ID=CMP-004-00034-2, Pins=4, Source=rgled.SchLib
D2: library part CMP-1060-00750-1, "Zener Voltage Regulator, 500 mW, 2-Pin SOD-523, Pb-Free, Tape and Reel", Manufacturer="On Semiconductor", ComponentLink1Description="Manufacturer URL", ComponentLink1URL=http://www.onsemi.com/, ComponentLink2Description=Datasheet, ComponentLink2URL=http://www.onsemi.cn/pub_link/Collateral/MM5Z2V4T1-D.PDF, ComponentLink3Description="Package Specification", ComponentLink3URL=http://www.onsemi.com/pub_link/Collateral/502-01.PDF, DatasheetVersion="Rev. 10", Mounting Technology="Surface Mount", P Max (W)=0.5, PackageDescription="2-Pin SOD, Body 1.2 x 0.8 mm", PackageReference=SOD-523-2-502-01, PackageVersion="Rev. E, 09/2010", Packing="Tape and Reel", PartNumber=MM5Z3V3T1G, RoHS=Pb-Free, VZ Typ (V)=3.3
F1: library part CMP-08605-000054-1, "FUSE BOARD MNT 3A 32VAC/VDC 1206", Fuse Current=3A, Fuse Interrupt Ac Current=50A, Fuse Voltage Drop=75.99mV, Manufacturer=Littelfuse, Max Fuse Ac Voltage=32V, Package=0466, Resistance=0.019Ω, Temperature="-55°C to +90°C", Temperature Range High=+90°C, Temperature Range Low=-55°C, Automotive=No, Category=Fuse, ComponentLink2Description=Datasheet, ComponentLink2URL=https://www.littelfuse.com/~/media/electronics/datasheets/fuses/littelfuse_fuse_466_datasheet.pdf.pdf, Device Class L1="Circuit Protection", Device Class L2=Fuses, Device Class L3=unset, Digikey Description="FUSE BOARD MNT 3A 32VAC/VDC 1206", Fuse Blow Speed=Fast, Fuse I2T=0.576A2Sec, Fuse Interrupt Dc Current=50A, Height=0.66mm, Lead Free=Yes, Manufacturer Part Number=0466003.NR, Max Fuse Dc Voltage=32V, Mouser Description="Surface Mount Fuses 32V 3A VFA Slimline", Octopart=https://octopart.com/0466003.nr-littelfuse-565175, RoHS=TRUE, Voltage Rating=32V
FB1: library part CMP-0686-00252-4, "Chip Ferrite Bead, 0402, 600Ω @ 100MHz, 0.23Ω, 25%, 900mA", Case Code (Imperial)=0402, Case Code (Metric)=1005, Current Rating=900mA, DC Resistance (DCR)=230mR, Max Operating Temperature=125°C, Min Operating Temperature=-55°C, Package Quantity=10000, Test Frequency=100MHz, Tolerance=25%, Case/Package=0402, Height=0.5mm, Impedance=600R, Lead Free="Lead Free", Length=1mm, Material=Steel, Max Current Rating=900mA, Max DC Current=900mA, Number of Circuits=1, Number of Lines=1, Number of Pins=2, Packaging="Tape and Reel", Termination=SMD/SMT, Width=0.5mm
J1 J2: library part CMP-002-00043-1, "Board Connector, 20 Contact(s), 2 Row(s), Female, Straight, 0.05 inch Pitch, Surface Mount Terminal, Locking, Black Insulator, Socket", Connector Type="BOARD CONNECTOR", Mounting Technology=Board, RoHS Compliant=Yes
J3 J4: library part CMP-002-00042-1, "Board Connector, 20 Contact(s), 2 Row(s), Male, Straight, Surface Mount Terminal", Connector Type="BOARD CONNECTOR", Mounting Technology=Board, RoHS Compliant=Yes
J5: library part CMP-002-00041-5, "Board Connector, 10 Contact(s), 2 Row(s), Male, Right Angle, 0.05 inch Pitch, Surface Mount Terminal, Locking, Black Insulator", Connector Type="BOARD CONNECTOR", Mounting Technology=Board, RoHS Compliant=Yes
P1: library part CMP-2000-05633-1, "PicoBlade(TM) Header, Right Angle, -40 to 85 degC, 2-Pin SMD, RoHS, Tape and Reel", Current - Max=1A, Manufacturer=Molex, Package Description="2-Leads Header, Pitch 1.25 mm, Mated Height 3.4 mm", Package Version="Rev. H, 11/2014", Voltage - Max=125V, Brand=Molex, Contact Material=PhosphorBronze, Contact Plating=Tin, Current Rating=1A, Datasheet URL=http://www.molex.com/webdocs/datasheets/pdf/en-us/0532610271_PCB_HEADERS.pdf, Datasheet Version=03/2016, Factory Pack Quantity=1000, Housing Material=Thermoplastic, Manufacturer URL=http://www.molex.com/, Mounting Angle=Right, Mounting Style=SMD/SMT, Mounting Technology=SurfaceMount, Number of Positions=2, Number of Positions / Contacts=2, Number Of Rows=1, Package Reference=53261-0271, Package URL=http://www.molex.com/pdm_docs/sd/532610271_sd.pdf, Packaging=Reel, Pitch=1.25mm, Product Category=1.25mmConnectors, Product Type=Headers, RoHS=Details, Series=53261, Termination Style=SMD, Tradename=PicoBlade, Type=Shrouded, Voltage Rating=125V
P2: library part CMP-2000-05249-1, "Male Header, Pitch 1.25 mm, 1 x 5 Position, Height 3.4 mm, RoHS, Tape and Reel", Current Rating=1A, Manufacturer=Molex, Voltage Rating=125V, Brand=Molex, Contact Material=PhosphorBronze, Contact Plating=Tin, Datasheet URL=http://datasheet.octopart.com/532610571-Molex-datasheet-8343080.pdf, Datasheet Version="Rev. D, 04/2004", Factory Pack Quantity=1000, Housing Material=Thermoplastic, Manufacturer URL=http://www.molex.com/, Mounting Angle=Right, Mounting Style=SMD/SMT, Number of Positions=5, Number of Positions / Contacts=5, Number Of Rows=1, Packaging=Reel, Pitch=1.25mm, Product Category=Headers&WireHousings, Product Type=Headers, RoHS=Details, Series=53261, Termination Style=SMD, Tradename=PicoBlade, Type=Shrouded
P3: library part CMP-2000-05238-1, "Male Header, Pitch 1.25 mm, 1 x 4 Position, Height 3.4 mm, -40 to 85 degC, RoHS, Tape and Reel", Current Rating=1A, Manufacturer=Molex, Package Description="1.25mm Pitch PicoBlade(TM) Header, Surface Mount, Right Angle, Lead-Free, 4 Circuits", Voltage Rating=125V, Brand=Molex, Contact Material=PhosphorBronze, Contact Plating=Tin, Datasheet URL=http://www.molex.com/pdm_docs/sd/532610471_sd.pdf, Datasheet Version="Rev. G, 01/2012", Factory Pack Quantity=1000, Housing Material=Thermoplastic, Manufacturer URL=http://www.molex.com/, Mounting Angle=Right, Mounting Style=SMD/SMT, Number of Positions=4, Number of Positions / Contacts=4, Number Of Rows=1, Packaging=Reel, Pitch=1.25mm, Product Category=Headers&WireHousings, Product Type=Headers, RoHS=Details, Series=53261, Termination Style=SMD, Tradename=PicoBlade, Type=Shrouded
Q1 Q2: library part CMP-2000-05968-1, "N-Channel Enhancement Mode Mosfet, 50 V, 200 mA, -55 to 150 degC, 6-Pin SOT-323, RoHS, Tape and Reel", Id - Continuous Drain Current=200mA, Manufacturer=DiodesIncorporated, Maximum Operating Temperature=+150C, Minimum Operating Temperature=-55C, Package / Case=SOT-323-3, Package Description="3-Pin Small Outline Transistor, Body 2 x 1.25 mm, Pitch 0.65 mm", Package Reference=SOT323, Pd - Power Dissipation=200mW, Rds On - Drain-Source Resistance=1.4Ohms, Vds - Drain-Source Breakdown Voltage=75V, Vgs - Gate-Source Voltage=20V, Brand=DiodesIncorporated, Channel Mode=Enhancement, Configuration=Single, Datasheet URL=http://www.diodes.com/_files/datasheets/ds30206.pdf, Datasheet Version="Rev. 11-2, 09/2013", Factory Pack Quantity=3000, Forward Transconductance - Min=0.1S, Height=1mm, Length=2.2mm, Manufacturer URL=http://www.diodes.com/, Mounting Style=SMD/SMT, Mounting Technology=SurfaceMount, Number of Channels=1Channel, Packaging=Reel, Product=MOSFETSmallSignal, Product Category=MOSFET, RoHS=True, Series=BSS138, Technology=Si, Transistor Polarity=N-Channel, Transistor Type=1N-Channel, Type=EnhancementModeFieldEffectTransistor, Typical Turn-Off Delay Time=20ns, Typical Turn-On Delay Time=20ns, Unit Weight=0.000212oz, Width=1.35mm
Q3 Q4 Q5 Q7 Q8 Q9: library part CMP-013-00018-2, "Trans MOSFET P-CH 20V 22.1A 8-Pin PowerPAK 1212 EP T/R", Component Type=Standard, Design Item ID=CMP-013-00036-4, Pins=5, Source=SISH615ADN-T1-GE3.SchLib
Q6: library part CMP-35916-000009-1, "MOSFET 2N-CH 60V 0.3A", Continuous Drain Current (ID)=300mA, Drain to Source Voltage (Vdss)=60V, Input Capacitance=40pF, Max Power Dissipation=285mW, FET Type="2 N-Channel", Mount="Surface Mount", Packaging="Tape and Reel", Rds On Max=1.5R
R1 R32 R33 R46 R47: library part CMP-2000-00435-2, "Chip Resistor, 330 Ohm, +/- 1%, 0.1 W, -55 to 155 degC, 0603 (1608 Metric), RoHS, Tape and Reel", Current Rating="500 mA", Max Operating Temperature="85 degC", Min Operating Temperature="-25 degC", Package Quantity=1500, Voltage Rating="10 V", ComponentLink1Description="Manufacturer URL", ComponentLink1URL=http://www.panasonic.com/, ComponentLink2Description=Datasheet, ComponentLink2URL=http://industrial.panasonic.com/cdbs/www-data/pdf/RDA0000/AOA0000C86.pdf, Contact Finish=Gold, Contact Material=Copper, Contact Plating=Gold, DatasheetVersion=Apr-15, Gender=Male, Height="1.45 mm", Lead Pitch="1.1 mm", Length="13.7 mm", Mating Cycles=10000, Mount="Surface Mount", PackageDescription="2-Pin Surface Mount Device, Body 1.6 x 0.85 mm", PackageReference=0603, Packaging="Tape and Reel", Pins=8, REACH SVHC="No SVHC", RoHSCompliant=true, Width="1.45 mm"
R2 R7 R8 R9 R11 R13 R14 R18 R20 R21 R22 R26 R28 R29 R34 R36 R37 R42 R44 R45 R48 R49: library part CMP-1012-00623-3, "Chip Resistor, 10 KOhm, +/- 1%, 0.1 W, -55 to 155 degC, 0603 (1608 Metric), RoHS, Tape and Reel", Case Code (Imperial)=0603, Case Code (Metric)=1608, Manufacturer=Panasonic, Max Operating Temperature=155degC, Max Power Dissipation=100mW, Min Operating Temperature=-55degC, Package Description="2-Pin Surface Mount Device, Body 1.6 x 0.85 mm", Package Quantity=1, Package Reference=603, Resistance=10KOhm, Temperature Coefficient=100ppm\/degreesC, Tolerance=1%, Voltage Rating=75V, Case\/Package=0603, Composition=ThickFilm, Contact Plating=Tin, Datasheet URL=https://industrial.panasonic.com/cdbs/www-data/pdf/RDA0000/AOA0000C304.pdf, Datasheet Version=02/2017, Depth=0.8mm, Height=0.45mm, Lead Free=LeadFree, Length=1.6mm, Manufacturer URL=http://www.panasonic.com/, Military Standard=Not, Mount=SurfaceMount, Mounting Technology=SurfaceMount, Number of Pins=2, Number of Terminations=2, Packaging=TapeandReel, Power Rating=100mW, Radiation Hardening=No, REACH SVHC=NoSVHC, RoHSCompliant=true, Termination=SMD/SMT, Voltage Rating (DC)=75V, Width=0.031inch
R3 R4 R5 R6 R15 R17 R19 R23 R25 R27 R30 R31 R43: library part CMP-2000-00180-1, Manufacturer=Panasonic, Part Number=ERJ-3EKF1001V
R10: library part CMP-05422-000098-1, "RES 0.1 OHM 1% 1/2W 0805", Case Code (Imperial)=0805, Case Code (Metric)=2012, Max Operating Temperature=155°C, Max Power Dissipation=500mW, Min Operating Temperature=-55°C, Resistance=100mR, Resistor Type="Thick Film", Temperature Coefficient=150ppm/°C, Tolerance=1%, Case/Package=0805, Features="Automotive AEC-Q200", Height=0.028inch, Length=0.079inch, Number of Terminations=2, Packaging="Cut Tape", Width=0.049inch
R12: library part CMP-2000-00925-1, "NOT PANASONIC, THIS IS A 1M RESISTORhttps://www.yageo.com/upload/media/product/productsearch/datasheet/rchip/PYu-RT_1-to-0.01_RoHS_L_13.pdf", Manufacturer=Panasonic, Part Number=ERA-3AEB163V
R16 R24: library part CMP-2000-00182-1, Manufacturer=Panasonic, Part Number=ERJ-3EKF1003V
R35: library part CMP-009-00118-2, "READ THE NAME", Component Type=Standard, Design Item ID=CMP-009-00206-2, Pins=2, Source=0402jump.SchLib